# Altium PCB Sampler.PCBDOC (part 4 of 5)
Units mil, origin at the board's own origin, x right, y up, seen from the top; angles counter-clockwise.
Board outline 6299 x 3937 mil, 4 copper layers (Top, MP(GND), L3, Bot), stack 64.881 mil thick; 530 components, 318 nets, 1631 pads, 766 vias.
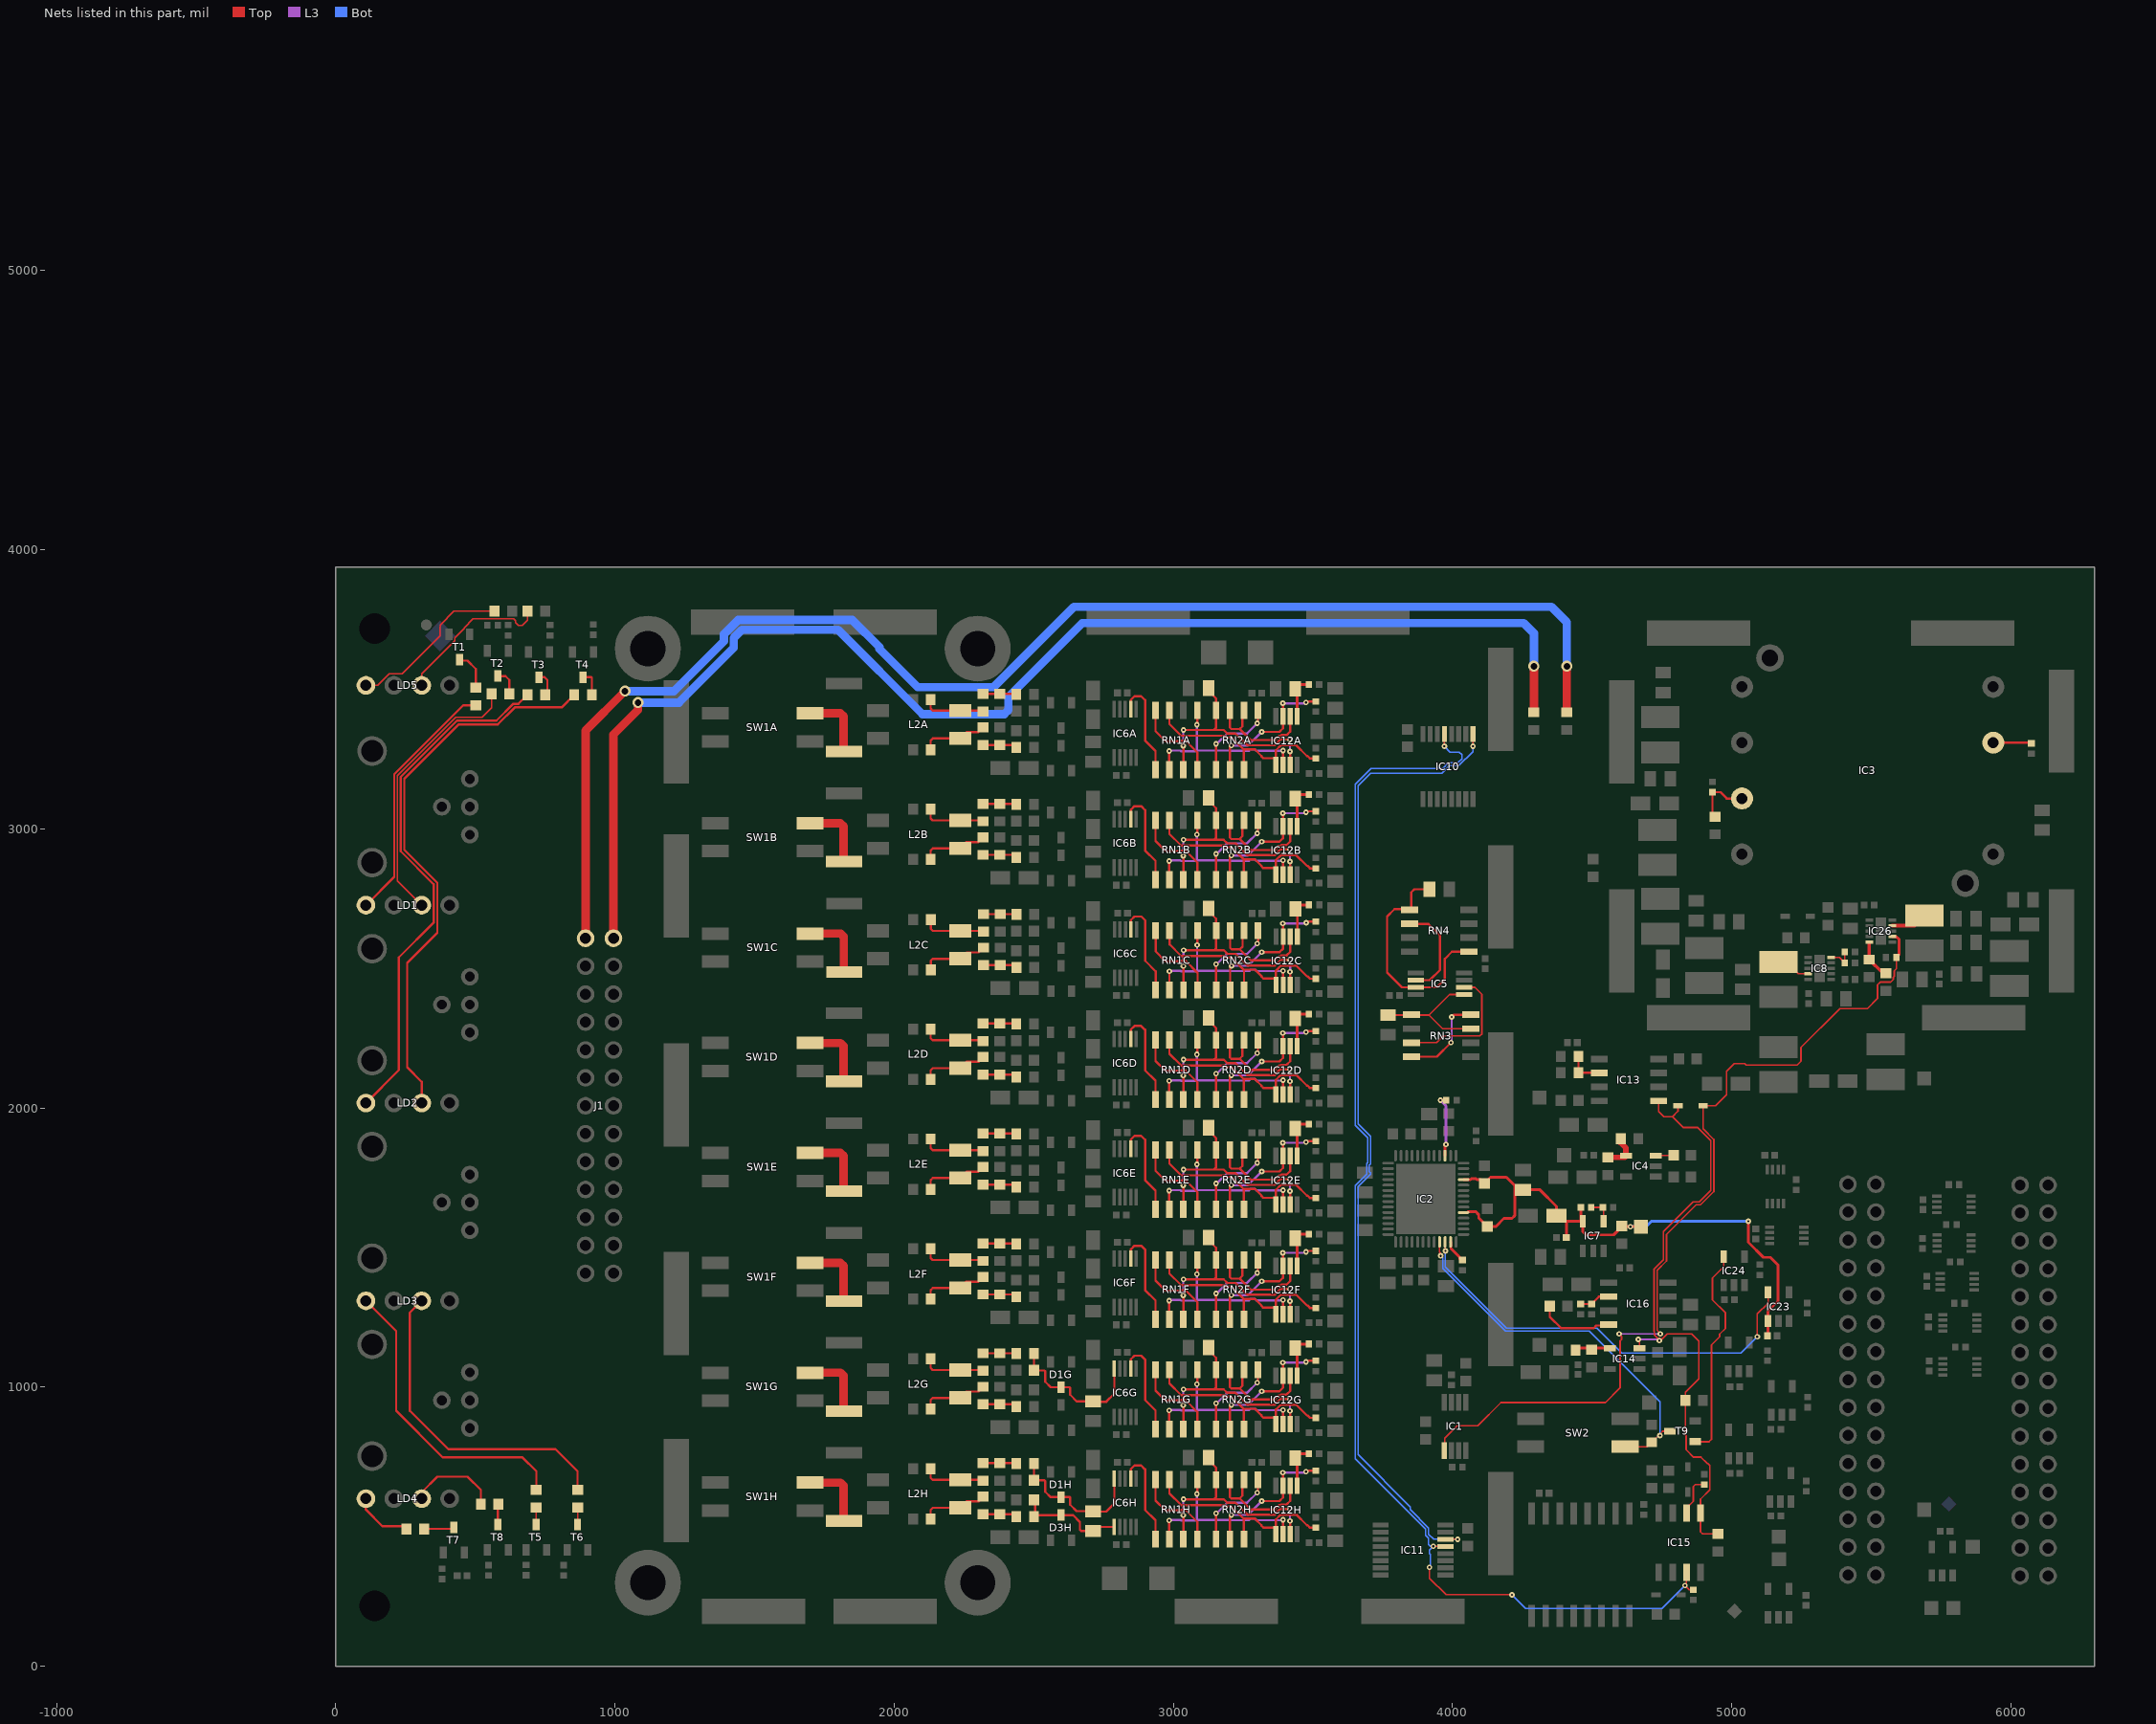
[diagram p6: the nets of this part, all layers, seen from the top]

## Via types
v1: diameter 19.68, hole 7.87, Top to Bot, tented both sides, 739 vias
v2: diameter 23.62, hole 11.81, Top to Bot, tented both sides, 15 vias
v3: diameter 23.62, hole 11.81, Top to Bot, 6 vias
v4: diameter 39.37, hole 23.62, Top to Bot, tented both sides, 6 vias

## Nets (pads, with @x,y where several pads share a name; then routed paths per layer and width w, separated by ;. In a path a pad name is that pad's centre, name@x,y a point inside that pad or via, vN(x,y) a via of type N, cw(c..) or ccw(c..) an arc to the next point about the centre after c; other vN are vias at no path point) (continued)
NetC72G_2: C72G.2 C85G.2 D1G.3 IC6G.10 R34G.2 | length 532.7
  Top w8: R34G.2@2500.71,1119.76 C85G.2@2500.71,1059.76 2537.76,1059.76 2540.91,1056.61 2540.91,1019.21 2560.6,999.52 D1G.3@2598,999.52 2628.28,999.52 2630,997.8 2630,972.8 2653.57,949.23 C72G.2@2712,949.23 2713.43,947.8 2760,947.8 2788.63,976.42 IC6G.10@2788.63,1066.41
NetC72H_1: C72H.1 C88H.2 D3H.3 IC6H.1 R42H.2 | length 381.5
  Top w8: C88H.2@2505.43,591.34 2505.43,540.79 2596.42,540.79 D3H.3@2596.66,541.03 ; D3H.3@2598,542.37 D3H.3@2596.66,541.03 ; IC6H.1@2788.63,499.48 2726.82,499.48 C72H.1@2712,484.66 2669.49,484.66 2665.27,488.88 2665.27,516.7 2640.94,541.03 D3H.3@2596.66,541.03
NetC72H_2: C72H.2 C85H.2 D1H.3 IC6H.10 R34H.2 | length 532.7
  Top w8: R34H.2@2500.71,726.06 C85H.2@2500.71,666.06 2537.76,666.06 2540.91,662.91 2540.91,625.51 2560.6,605.82 D1H.3@2598,605.82 2628.28,605.82 2630,604.09 2630,579.09 2653.57,555.53 C72H.2@2712,555.53 2713.43,554.09 2760,554.09 2788.63,582.72 IC6H.10@2788.63,672.71
NetC73A_2: C73A.2 IC12A.3 RN1A.3 RN2A.4 | length 810.9
  Top w8: v1(3035.43,3297.24) 3036,3296.68 RN1A.3@3036,3211.7 ; v1(3036.42,3354.33) 3036.56,3354.19 3145.53,3354.19 ; C73A.2@3125.98,3503.94 3125.98,3494.09 3152.77,3467.31 RN2A.4@3152.77,3424.23 3152.77,3362.98 3153.54,3362.2 3145.53,3354.19 ; v1(3417.32,3319.88) 3383.86,3319.88 3363.19,3299.21 3264.76,3299.21 3222.44,3341.54 3192.91,3341.54 3180.26,3354.19 3145.53,3354.19 ; v1(3417.49,3276.73) 3418.31,3275.92 IC12A.3@3418.31,3229.47
  L3 w8: v1(3035.43,3297.24) 3035.43,3353.35 v1(3036.42,3354.33) ; v1(3417.32,3319.88) 3417.49,3319.72 v1(3417.49,3276.73)
NetC73B_2: C73B.2 IC12B.3 RN1B.3 RN2B.4 | length 810.9
  Top w8: v1(3035.43,2903.54) 3036,2902.98 RN1B.3@3036,2818 ; v1(3036.42,2960.63) 3036.56,2960.49 3145.53,2960.49 ; C73B.2@3125.98,3110.24 3125.98,3100.39 3152.77,3073.61 RN2B.4@3152.77,3030.53 3152.77,2969.28 3153.54,2968.5 3145.53,2960.49 ; v1(3417.32,2926.18) 3383.86,2926.18 3363.19,2905.51 3264.76,2905.51 3222.44,2947.83 3192.91,2947.83 3180.26,2960.49 3145.53,2960.49 ; v1(3417.49,2883.03) 3418.31,2882.22 IC12B.3@3418.31,2835.77
  L3 w8: v1(3035.43,2903.54) 3035.43,2959.65 v1(3036.42,2960.63) ; v1(3417.32,2926.18) 3417.49,2926.01 v1(3417.49,2883.03)
NetC73C_2: C73C.2 IC12C.3 RN1C.3 RN2C.4 | length 810.9
  Top w8: v1(3035.93,2508.12) 3036.49,2507.55 RN1C.3@3036.49,2422.58 ; v1(3036.91,2565.21) 3037.05,2565.06 3146.02,2565.06 ; C73C.2@3126.48,2714.81 3126.48,2704.97 3153.27,2678.18 RN2C.4@3153.27,2635.1 3153.27,2573.85 3154.04,2573.08 3146.02,2565.06 ; v1(3417.82,2530.76) 3384.35,2530.76 3363.68,2510.09 3265.26,2510.09 3222.93,2552.41 3193.41,2552.41 3180.75,2565.06 3146.02,2565.06 ; v1(3417.98,2487.61) 3418.8,2486.79 IC12C.3@3418.8,2440.35
  L3 w8: v1(3035.93,2508.12) 3035.93,2564.22 v1(3036.91,2565.21) ; v1(3417.82,2530.76) 3417.98,2530.59 v1(3417.98,2487.61)
NetC73D_2: C73D.2 IC12D.3 RN1D.3 RN2D.4 | length 810.9
  Top w8: v1(3035.43,2116.14) 3036,2115.57 RN1D.3@3036,2030.6 ; v1(3036.42,2173.23) 3036.56,2173.09 3145.53,2173.09 ; C73D.2@3125.98,2322.83 3125.98,2312.99 3152.77,2286.2 RN2D.4@3152.77,2243.13 3152.77,2181.87 3153.54,2181.1 3145.53,2173.09 ; v1(3417.32,2138.78) 3383.86,2138.78 3363.19,2118.11 3264.76,2118.11 3222.44,2160.43 3192.91,2160.43 3180.26,2173.09 3145.53,2173.09 ; v1(3417.49,2095.63) 3418.31,2094.81 IC12D.3@3418.31,2048.37
  L3 w8: v1(3035.43,2116.14) 3035.43,2172.24 v1(3036.42,2173.23) ; v1(3417.32,2138.78) 3417.49,2138.61 v1(3417.49,2095.63)
NetC73E_2: C73E.2 IC12E.3 RN1E.3 RN2E.4 | length 810.9
  Top w8: v1(3035.43,1722.44) 3036,1721.87 RN1E.3@3036,1636.9 ; v1(3036.42,1779.53) 3036.56,1779.39 3145.53,1779.39 ; C73E.2@3125.98,1929.13 3125.98,1919.29 3152.77,1892.5 RN2E.4@3152.77,1849.43 3152.77,1788.17 3153.54,1787.4 3145.53,1779.39 ; v1(3417.32,1745.08) 3383.86,1745.08 3363.19,1724.41 3264.76,1724.41 3222.44,1766.73 3192.91,1766.73 3180.26,1779.39 3145.53,1779.39 ; v1(3417.49,1701.93) 3418.31,1701.11 IC12E.3@3418.31,1654.67
  L3 w8: v1(3035.43,1722.44) 3035.43,1778.54 v1(3036.42,1779.53) ; v1(3417.32,1745.08) 3417.49,1744.91 v1(3417.49,1701.93)
NetC73F_2: C73F.2 IC12F.3 RN1F.3 RN2F.4 | length 810.9
  Top w8: v1(3035.43,1328.74) 3036,1328.17 RN1F.3@3036,1243.2 ; v1(3036.42,1385.83) 3036.56,1385.69 3145.53,1385.69 ; C73F.2@3125.98,1535.43 3125.98,1525.59 3152.77,1498.8 RN2F.4@3152.77,1455.72 3152.77,1394.47 3153.54,1393.7 3145.53,1385.69 ; v1(3417.32,1351.38) 3383.86,1351.38 3363.19,1330.71 3264.76,1330.71 3222.44,1373.03 3192.91,1373.03 3180.26,1385.69 3145.53,1385.69 ; v1(3417.49,1308.23) 3418.31,1307.41 IC12F.3@3418.31,1260.97
  L3 w8: v1(3035.43,1328.74) 3035.43,1384.84 v1(3036.42,1385.83) ; v1(3417.32,1351.38) 3417.49,1351.21 v1(3417.49,1308.23)
NetC73G_2: C73G.2 IC12G.3 RN1G.3 RN2G.4 | length 810.9
  Top w8: v1(3035.43,935.04) 3036,934.47 RN1G.3@3036,849.5 ; v1(3036.42,992.13) 3036.56,991.98 3145.53,991.98 ; C73G.2@3125.98,1141.73 3125.98,1131.89 3152.77,1105.1 RN2G.4@3152.77,1062.02 3152.77,1000.77 3153.54,1000 3145.53,991.98 ; v1(3417.32,957.68) 3383.86,957.68 3363.19,937.01 3264.76,937.01 3222.44,979.33 3192.91,979.33 3180.26,991.98 3145.53,991.98 ; v1(3417.49,914.53) 3418.31,913.71 IC12G.3@3418.31,867.27
  L3 w8: v1(3035.43,935.04) 3035.43,991.14 v1(3036.42,992.13) ; v1(3417.32,957.68) 3417.49,957.51 v1(3417.49,914.53)
NetC73H_2: C73H.2 IC12H.3 RN1H.3 RN2H.4 | length 810.9
  Top w8: v1(3035.43,541.34) 3036,540.77 RN1H.3@3036,455.8 ; v1(3036.42,598.43) 3036.56,598.28 3145.53,598.28 ; C73H.2@3125.98,748.03 3125.98,738.19 3152.77,711.4 RN2H.4@3152.77,668.32 3152.77,607.07 3153.54,606.3 3145.53,598.28 ; v1(3417.32,563.98) 3383.86,563.98 3363.19,543.31 3264.76,543.31 3222.44,585.63 3192.91,585.63 3180.26,598.28 3145.53,598.28 ; v1(3417.49,520.83) 3418.31,520.01 IC12H.3@3418.31,473.57
  L3 w8: v1(3035.43,541.34) 3035.43,597.44 v1(3036.42,598.43) ; v1(3417.32,563.98) 3417.49,563.81 v1(3417.49,520.83)
NetC74A_2: C74A.2 IC12A.5 R50A.2 | length 156.7
  Top w10: IC12A.5@3443.9,3402.7 3443.9,3495.08 C74A.2@3437.01,3501.97 3451.77,3516.73 R50A.2@3485.43,3516.73
NetC74B_2: C74B.2 IC12B.5 R50B.2 | length 156.7
  Top w10: IC12B.5@3443.9,3009 3443.9,3101.38 C74B.2@3437.01,3108.27 3451.77,3123.03 R50B.2@3485.43,3123.03
NetC74C_2: C74C.2 IC12C.5 R50C.2 | length 156.7
  Top w10: IC12C.5@3444.39,2613.58 3444.39,2705.95 C74C.2@3437.5,2712.84 3452.27,2727.61 R50C.2@3485.93,2727.61
NetC74D_2: C74D.2 IC12D.5 R50D.2 | length 156.7
  Top w10: IC12D.5@3443.9,2221.6 3443.9,2313.98 C74D.2@3437.01,2320.87 3451.77,2335.63 R50D.2@3485.43,2335.63
NetC74E_2: C74E.2 IC12E.5 R50E.2 | length 156.7
  Top w10: IC12E.5@3443.9,1827.9 3443.9,1920.28 C74E.2@3437.01,1927.17 3451.77,1941.93 R50E.2@3485.43,1941.93
NetC74F_2: C74F.2 IC12F.5 R50F.2 | length 156.7
  Top w10: IC12F.5@3443.9,1434.2 3443.9,1526.57 C74F.2@3437.01,1533.46 3451.77,1548.23 R50F.2@3485.43,1548.23
NetC74G_2: C74G.2 IC12G.5 R50G.2 | length 156.7
  Top w10: IC12G.5@3443.9,1040.5 3443.9,1132.87 C74G.2@3437.01,1139.76 3451.77,1154.53 R50G.2@3485.43,1154.53
NetC74H_2: C74H.2 IC12H.5 R50H.2 | length 156.7
  Top w10: IC12H.5@3443.9,646.8 3443.9,739.17 C74H.2@3437.01,746.06 3451.77,760.83 R50H.2@3485.43,760.83
NetC75_2: C75.2 IC5.3 RN4.1 RN4.5 | length 839.9
  Top w8: C75.2@3917.32,2783.46 3863.19,2783.46 3852.36,2772.64 3852.36,2715.75 RN4.5@3846.46,2709.84 3843.7,2712.6 3792.32,2712.6 3765.61,2685.88 3765.61,2485.38 3818.9,2432.09 IC5.3@3868.11,2432.09 3943.9,2432.09 3972.44,2460.63 3972.44,2534.45 3997.83,2559.84 RN4.1@4059.06,2559.84
NetC76_2: C76.2 IC5.5 RN3.3 RN3.5 | length 473
  Top w6: C76.2@3769.69,2332.68 3915.35,2332.68 ; IC5.5@4041.34,2406.5 3989.17,2406.5 3915.35,2332.68 ; RN3.3@4065.94,2283.86 3964.17,2283.86 3915.35,2332.68
NetC114_1: C114.1 IC16.4 | length 270.1
  Top w8: C114.1@4348.42,1289.37 4348.42,1251.97 4388.92,1211.47 4505.84,1211.47 4514.84,1220.47 4555.31,1220.47 IC16.4@4559.06,1224.21
NetC116_1: C116.1 IC4.3 | length 63.8
  Top w5: IC4.3@4728.35,1828.74 4730.31,1830.71 C116.1@4791.34,1830.71
NetD6_1: D6.1 IC1.1 IC26.7 R57.1 | length 3182.4
  Top w6: IC1.1@3971.96,775.07 3972.42,775.53 3972.42,816.93 4017.17,861.68 4090.03,861.68 4173.23,944.88 4547.24,944.88 4599.86,997.5 4599.86,1165.04 4605.23,1170.41 4605.23,1182.17 v1(4596.46,1190.94) ; v1(4744.09,1190.94) 4744.09,1192.59 4733.14,1203.54 4733.14,1418.98 4766.28,1452.13 4766.28,1546.8 4872.5,1653.01 4888.1,1653.01 4935.57,1700.48 4935.57,1887.11 4897.24,1925.45 D6.1@4897.24,2007.87 4941.93,2007.87 4981.3,2047.24 4981.3,2131.89 5008.24,2158.83 5046.93,2158.83 5052.21,2153.54 5234.25,2153.54 5248.03,2167.32 5248.03,2216.54 5387.67,2356.17 5486.09,2356.17 5521.65,2391.73 5521.65,2440.94 5531.5,2450.79 5568.4,2450.79 5578.87,2461.25 5578.87,2468.63 5581.84,2471.61 5581.84,2491.44 5589.37,2498.97 R57.1@5589.37,2539.37
  Top w10: IC26.7@5574.87,2613.97 5589.39,2613.97 5589.39,2612.65 5591.86,2610.19 5592.79,2610.19 5598.65,2604.33 5598.65,2548.65 R57.1@5589.37,2539.37
  L3 w6: v1(4596.46,1190.94) v1(4744.09,1190.94)
NetD6_2: D6.2 IC13.5 IC14.3 IC15.1 R18.1 R52.2 | length 2252
  Top w6: v1(4665.35,1171.26) 4669.29,1167.32 IC14.3@4669.29,1139.76 ; IC13.5@4738.15,2025.37 4738.15,1987.11 4756.75,1968.5 4787.4,1968.5 ; D6.2@4807.48,2007.87 4807.48,1988.58 4787.4,1968.5 ; R52.2@4960.63,484.25 R52.2@4950.79,474.41 4895.67,474.41 4887.99,482.09 IC15.1@4887.99,549.21 4887.99,598.62 4921.78,632.41 4921.78,718.97 4914.37,726.38 4912.4,726.38 4889.76,749.02 4863.19,749.02 4836.61,775.59 4836.61,826.77 4833.66,829.72 R18.1@4833.66,952.76 4833.66,981.3 4881.89,1029.53 4881.89,1165.35 4856.3,1190.94 4769.33,1190.94 4751.49,1173.1 4736.7,1173.1 4722.57,1187.24 4722.57,1198.56 4722.14,1198.98 4722.14,1423.54 4755.28,1456.68 4755.28,1557.58 4861.71,1664.01 4883.54,1664.01 4924.57,1705.04 4924.57,1882.56 4876.65,1930.48 4825.43,1930.48 4787.4,1968.5
  L3 w6: v1(4665.35,1171.26) 4734.86,1171.26 4739.86,1166.26 v1(4740.79,1166.26)
NetIC2_23: IC2.23 R2.2 SW2.3 T9.3 | length 1379.8
  Top w5: IC2.23@3953.54,1520.09 3953.54,1482.89 3957.24,1479.19 v1(3957.24,1470.45)
  Top w6: SW2.3@4618.11,786.61 4697.31,786.61 R2.2@4713.2,802.51 4752.7,842.01 T9.3@4778.93,842.01
  Bot w5: v1(3957.24,1470.45) 3964.6,1463.09 3964.6,1426.06 4189.2,1201.47 4489.39,1201.47 4742.73,948.13 v1(4742.73,826.77)
NetIC2_24: IC2.24 IC23.5 | length 1534.6
  Top w5: IC2.24@3973.23,1520.09 3973.23,1489.64 v1(3974.6,1488.26) ; v1(5091.54,1180.12) 5091.54,1261.81 5130.03,1300.31 IC23.5@5130.03,1339.64
  Bot w5: v1(3974.6,1488.26) 3974.6,1430.21 4193.34,1211.47 4516.87,1211.47 4606.3,1122.05 5033.46,1122.05 v1(5091.54,1180.12)
NetIC2_25: IC2.25 R11.1 | length 73.4
  Top w10: IC2.25@3992.91,1520.09 3994.45,1518.56 3994.45,1496.21 4025.17,1465.49 R11.1@4025.17,1460.06
NetIC2_43: IC2.43 R10.1 | length 228.7
  Top w10: v1(3956.69,2027.56) R10.1@3977.56,2027.56 ; IC2.43@3973.23,1829.15 3973.23,1866.35 v1(3976.38,1869.5)
  L3 w10: v1(3956.69,2027.56) 3976.38,2007.87 v1(3976.38,1869.5)
NetIC3_2: IC3.2 R8.2 | length 137.4
  Top w8: IC3.2@5936.61,3308.66 6070.08,3308.66 R8.2@6072.83,3305.91
NetIC3_6: IC3.6 R7.1 R19.2 | length 206.7
  Top w8: R7.1@4940.94,3043.31 4931.1,3053.15 R19.2@4931.1,3131.1 4959.45,3131.1 4981.89,3108.66 IC3.6@5036.61,3108.66
NetIC4_4: IC4.4 R26.1 R27.2 | length 137.2
  Top w20: R26.1@4557.09,1822.83 4616.14,1822.83 IC4.4@4621.06,1827.76 ; R27.2@4602.36,1889.76 4602.36,1875 4621.06,1856.3 IC4.4@4621.06,1827.76 ; IC4.4@4622.05,1828.74 IC4.4@4621.06,1827.76
NetIC5_2: IC5.2 RN4.6 | length 351.3
  Top w8: RN4.6@3846.46,2659.84 3846.85,2659.45 3913.39,2659.45 3954.72,2618.11 3954.72,2494.02 3918.38,2457.68 IC5.2@3868.11,2457.68
NetIC5_6: IC5.6 RN3.7 | length 480.3
  Top w6: RN3.7@3853.35,2233.86 3943.5,2233.86 3967.52,2257.87 4097.44,2257.87 4105.13,2265.56 4105.13,2406.68 4079.72,2432.09 IC5.6@4041.34,2432.09
NetIC6A_7: IC6A.7 RN1A.1 | length 360.5
  Top w8: IC6A.7@2847.69,3428.61 2847.69,3462.01 2860.68,3475 2885,3475 2898.87,3461.13 2898.87,3316.13 2936,3279 RN1A.1@2936,3211.7
NetIC6B_7: IC6B.7 RN1B.1 | length 360.5
  Top w8: IC6B.7@2847.69,3034.92 2847.69,3068.31 2860.68,3081.3 2885,3081.3 2898.87,3067.43 2898.87,2922.43 2936,2885.3 RN1B.1@2936,2818
NetIC6C_7: IC6C.7 RN1C.1 | length 360.5
  Top w8: IC6C.7@2848.18,2639.49 2848.18,2672.88 2861.17,2685.87 2885.49,2685.87 2899.36,2672.01 2899.36,2527.01 2936.49,2489.87 RN1C.1@2936.49,2422.58
NetIC6D_7: IC6D.7 RN1D.1 | length 360.5
  Top w8: IC6D.7@2847.69,2247.51 2847.69,2280.91 2860.68,2293.9 2885,2293.9 2898.87,2280.03 2898.87,2135.03 2936,2097.9 RN1D.1@2936,2030.6
NetIC6E_7: IC6E.7 RN1E.1 | length 360.5
  Top w8: IC6E.7@2847.69,1853.81 2847.69,1887.21 2860.68,1900.2 2885,1900.2 2898.87,1886.33 2898.87,1741.33 2936,1704.2 RN1E.1@2936,1636.9
NetIC6F_7: IC6F.7 RN1F.1 | length 360.5
  Top w8: IC6F.7@2847.69,1460.11 2847.69,1493.5 2860.68,1506.5 2885,1506.5 2898.87,1492.63 2898.87,1347.63 2936,1310.5 RN1F.1@2936,1243.2
NetIC6G_7: IC6G.7 RN1G.1 | length 360.5
  Top w8: IC6G.7@2847.69,1066.41 2847.69,1099.8 2860.68,1112.8 2885,1112.8 2898.87,1098.93 2898.87,953.93 2936,916.8 RN1G.1@2936,849.5
NetIC6H_7: IC6H.7 RN1H.1 | length 360.5
  Top w8: IC6H.7@2847.69,672.71 2847.69,706.1 2860.68,719.09 2885,719.09 2898.87,705.23 2898.87,560.23 2936,523.09 RN1H.1@2936,455.8
NetIC7_4: IC7.4 R53.1 R54.2 | length 92.1
  Top w6: R53.1@4496.85,1643.7 R54.2@4538.58,1643.7 4541.36,1640.92 IC7.4@4541.36,1594.46
NetIC8_5: IC8.5 R24.1 R28.2 | length 95.9
  Top w5: IC8.5@5356.3,2539.37 5385.04,2539.37 R24.1@5404.72,2519.69 R28.2@5404.72,2559.06
NetIC8_9: IC8.9 L3.1 | length 124.2
  Top w5: L3.1@5167.32,2523.62 5194.88,2523.62 5238.19,2480.31 IC8.9@5273.62,2480.31
NetIC10_9: IC10.9 IC11.14 | length 3506.1
  Top w5: IC11.14@3974.6,454.98 v1(4017.98,454.98) ; v1(4073.21,3295.87) IC10.9@4073.21,3339.26
  Bot w5: v1(4017.98,454.98) 3932.28,454.98 3913.87,473.39 3913.87,495.58 3848.43,561.02 3848.43,570.87 3661.26,758.03 3661.26,1718.5 3705.95,1763.2 3705.95,1768.56 3702.07,1772.44 3702.07,1795.76 3705.95,1799.64 3705.95,1897.6 3661.26,1942.29 3661.26,2436.76 3661.37,2436.87 3661.37,2468.64 3661.26,2468.75 3661.26,3153.99 3706.24,3198.98 3961.85,3198.98 3988.87,3226 4022.54,3226 4073.21,3276.67 v1(4073.21,3295.87)
NetIC10_13: IC10.13 IC11.13 IC15.7 R51.2 | length 4687.2
  Top w5: v1(3917.32,354.33) 3917.32,314.96 3976.38,255.91 v1(4212.6,255.91) ; v1(3931.21,429.39) IC11.13@3974.6,429.39 ; v1(3970.85,3295.87) IC10.13@3970.85,3339.26 ; IC15.7@4837.99,336.61 4837.99,294.69 v1(4832.68,289.37) 4847.64,274.41 R51.2@4862.2,274.41
  Bot w5: v1(3917.32,354.33) 3920.53,357.54 3920.53,400.88 3917.32,404.09 3917.32,415.5 v1(3931.21,429.39) 3921,429.39 3913.69,436.71 3913.69,459.43 3903.87,469.25 3903.87,491.44 3651.26,744.05 3651.26,1722.65 3692.07,1763.45 3692.07,1799.9 3695.95,1803.78 3695.95,1893.46 3651.26,1938.15 3651.26,2440.9 3651.37,2441.02 3651.37,2464.5 3651.26,2464.61 3651.26,3159.13 3708.81,3216.69 3965.42,3216.69 3984.73,3236 4018.4,3236 4033.09,3250.69 4033.09,3265.06 4022.93,3275.22 3991.51,3275.22 v1(3970.85,3295.87) ; v1(4212.6,255.91) 4261.81,206.69 4750,206.69 v1(4832.68,289.37)
NetIC12A_1: IC12A.1 R14A.1 RN1A.7 RN2A.7 | length 776.5
  Top w8: RN1A.7@2986,3424.3 2986,3375.22 3027.56,3333.66 3182.4,3333.66 3187.53,3328.54 3207.32,3328.54 3252.77,3283.09 ; RN2A.7@3252.77,3211.63 3252.77,3283.09 ; IC12A.1@3367.13,3229.47 IC12A.1@3367.13,3253 ; R14A.1@3510.2,3252.21 3489.34,3252.21 3480.68,3260.87 3478.3,3260.87 3439.82,3299.35 3384.91,3299.35 3367.13,3281.57 IC12A.1@3367.13,3253 ; 3252.77,3283.09 3254.28,3284.59 3292.25,3284.59 3315.77,3261.07 3315.77,3259.46 3322.23,3253 IC12A.1@3367.13,3253
NetIC12A_2: IC12A.2 RN1A.2 RN1A.5 | length 677.8
  Top w8: v1(2985.24,3278.54) 2985.24,3212.46 RN1A.2@2986,3211.7 ; v1(3084.65,3373.03) 3086,3374.39 RN1A.5@3086,3424.3 ; IC12A.2@3392.72,3229.47 v1(3392.72,3280.51)
  L3 w8: v1(2985.24,3278.54) 2987.2,3280.51 3025.52,3280.51 3027.63,3278.4 3082.54,3278.4 3084.65,3280.51 ; v1(3084.65,3373.03) 3084.65,3280.51 ; v1(3392.72,3280.51) 3391.61,3279.4 3297.44,3279.4 3292.25,3284.59 3276.64,3284.59 3271.46,3279.4 3200.28,3279.4 3199.17,3280.51 3084.65,3280.51
NetIC12A_6: IC12A.6 RN2A.2 RN2A.3 | length 435.7
  Top w8: RN2A.3@3202.77,3424.23 3202.77,3362.61 3208.09,3357.3 3237.61,3357.3 ; RN2A.2@3252.77,3424.23 3247.46,3418.91 3247.46,3367.14 3237.61,3357.3 ; IC12A.6@3418.31,3402.7 3418.31,3348.57 3405.51,3335.77 3386.64,3335.77 3383.75,3332.88 3378.47,3332.88 3363.52,3317.93 3276.98,3317.93 3237.61,3357.3
NetIC12A_7: IC12A.7 R16A.1 RN2A.6 | length 510.4
  Top w8: RN2A.6@3202.77,3211.63 3202.77,3292.93 v1(3208.09,3298.24) ; v1(3316.35,3347.46) 3379.94,3347.46 3392.72,3360.24 IC12A.7@3392.72,3402.7 3392.72,3448.82 v1(3391.73,3449.8) ; v1(3475.39,3452.76) 3479.18,3456.54 R16A.1@3510.2,3456.54
  L3 w8: v1(3208.09,3298.24) 3267.14,3298.24 v1(3316.35,3347.46) ; v1(3391.73,3449.8) 3472.44,3449.8 v1(3475.39,3452.76)
NetIC12B_1: IC12B.1 R14B.1 RN1B.7 RN2B.7 | length 776.5
  Top w8: RN1B.7@2986,3030.6 2986,2981.52 3027.56,2939.96 3182.4,2939.96 3187.53,2934.83 3207.32,2934.83 3252.77,2889.39 ; RN2B.7@3252.77,2817.93 3252.77,2889.39 ; IC12B.1@3367.13,2835.77 IC12B.1@3367.13,2859.3 ; R14B.1@3510.2,2858.51 3489.34,2858.51 3480.68,2867.17 3478.3,2867.17 3439.82,2905.65 3384.91,2905.65 3367.13,2887.87 IC12B.1@3367.13,2859.3 ; 3252.77,2889.39 3254.28,2890.89 3292.25,2890.89 3315.77,2867.37 3315.77,2865.76 3322.23,2859.3 IC12B.1@3367.13,2859.3
NetIC12B_2: IC12B.2 RN1B.2 RN1B.5 | length 677.8
  Top w8: v1(2985.24,2884.84) 2985.24,2818.76 RN1B.2@2986,2818 ; v1(3084.65,2979.33) 3086,2980.68 RN1B.5@3086,3030.6 ; IC12B.2@3392.72,2835.77 v1(3392.72,2886.81)
  L3 w8: v1(2985.24,2884.84) 2987.2,2886.81 3025.52,2886.81 3027.63,2884.7 3082.54,2884.7 3084.65,2886.81 ; v1(3084.65,2979.33) 3084.65,2886.81 ; v1(3392.72,2886.81) 3391.61,2885.7 3297.44,2885.7 3292.25,2890.89 3276.64,2890.89 3271.46,2885.7 3200.28,2885.7 3199.17,2886.81 3084.65,2886.81
NetIC12B_6: IC12B.6 RN2B.2 RN2B.3 | length 435.7
  Top w8: RN2B.3@3202.77,3030.53 3202.77,2968.91 3208.09,2963.6 3237.61,2963.6 ; RN2B.2@3252.77,3030.53 3247.46,3025.21 3247.46,2973.44 3237.61,2963.6 ; IC12B.6@3418.31,3009 3418.31,2954.87 3405.51,2942.07 3386.64,2942.07 3383.75,2939.18 3378.47,2939.18 3363.52,2924.23 3276.98,2924.23 3237.61,2963.6
NetIC12B_7: IC12B.7 R16B.1 RN2B.6 | length 510.4
  Top w8: RN2B.6@3202.77,2817.93 3202.77,2899.23 v1(3208.09,2904.54) ; v1(3316.35,2953.76) 3379.94,2953.76 3392.72,2966.54 3392.72,3055.12 v1(3391.73,3056.1) ; v1(3475.39,3059.06) 3479.18,3062.84 R16B.1@3510.2,3062.84